# Altium PCB arm_v1.PcbDoc
Units mil, origin at the board's own origin, x right, y up, seen from the top; angles counter-clockwise.
Board outline 3620 x 3150 mil, 2 copper layers (Top Layer, Bottom Layer); 86 components, 74 nets, 331 pads, 91 vias.
Unrouted connection lines stored in the file: 2.
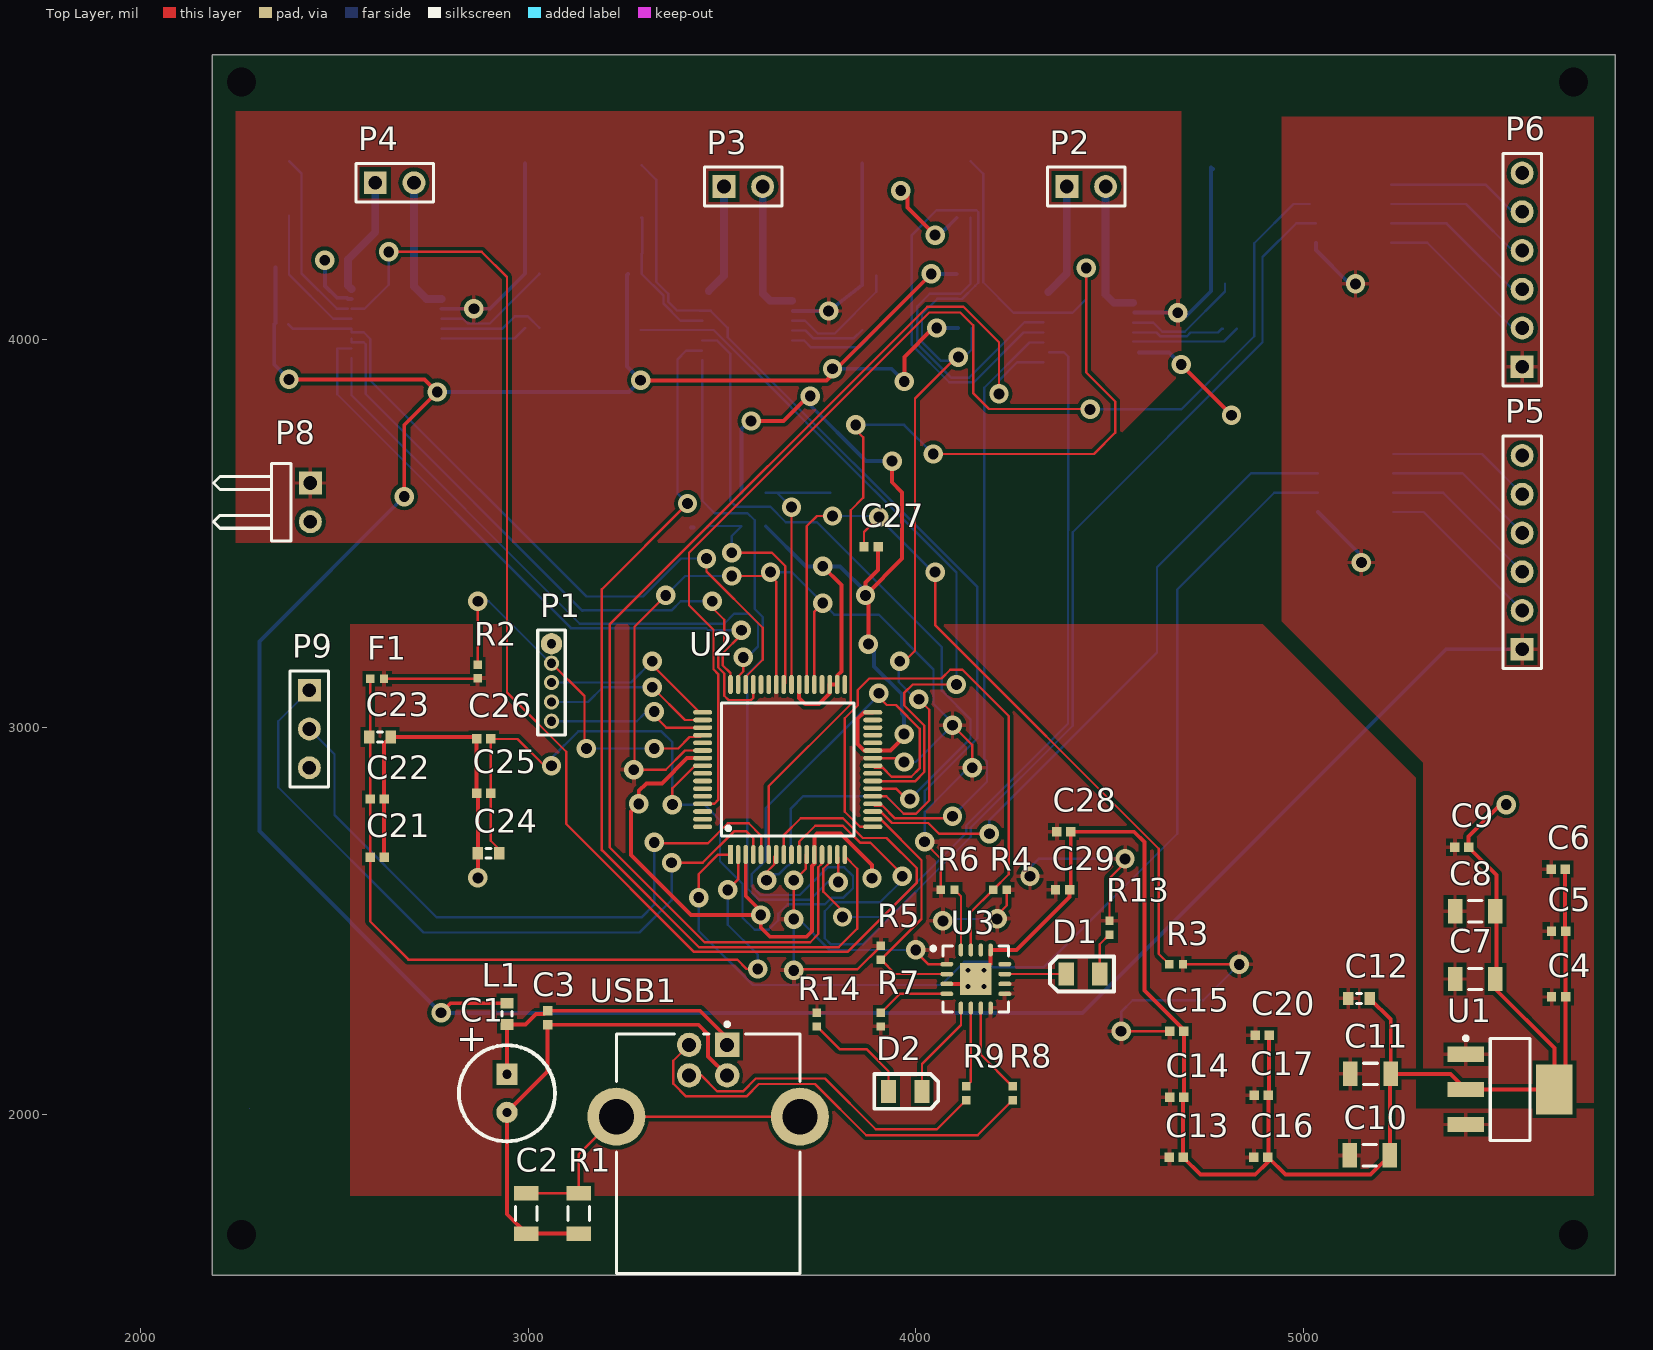
[diagram p0: Top Layer view]
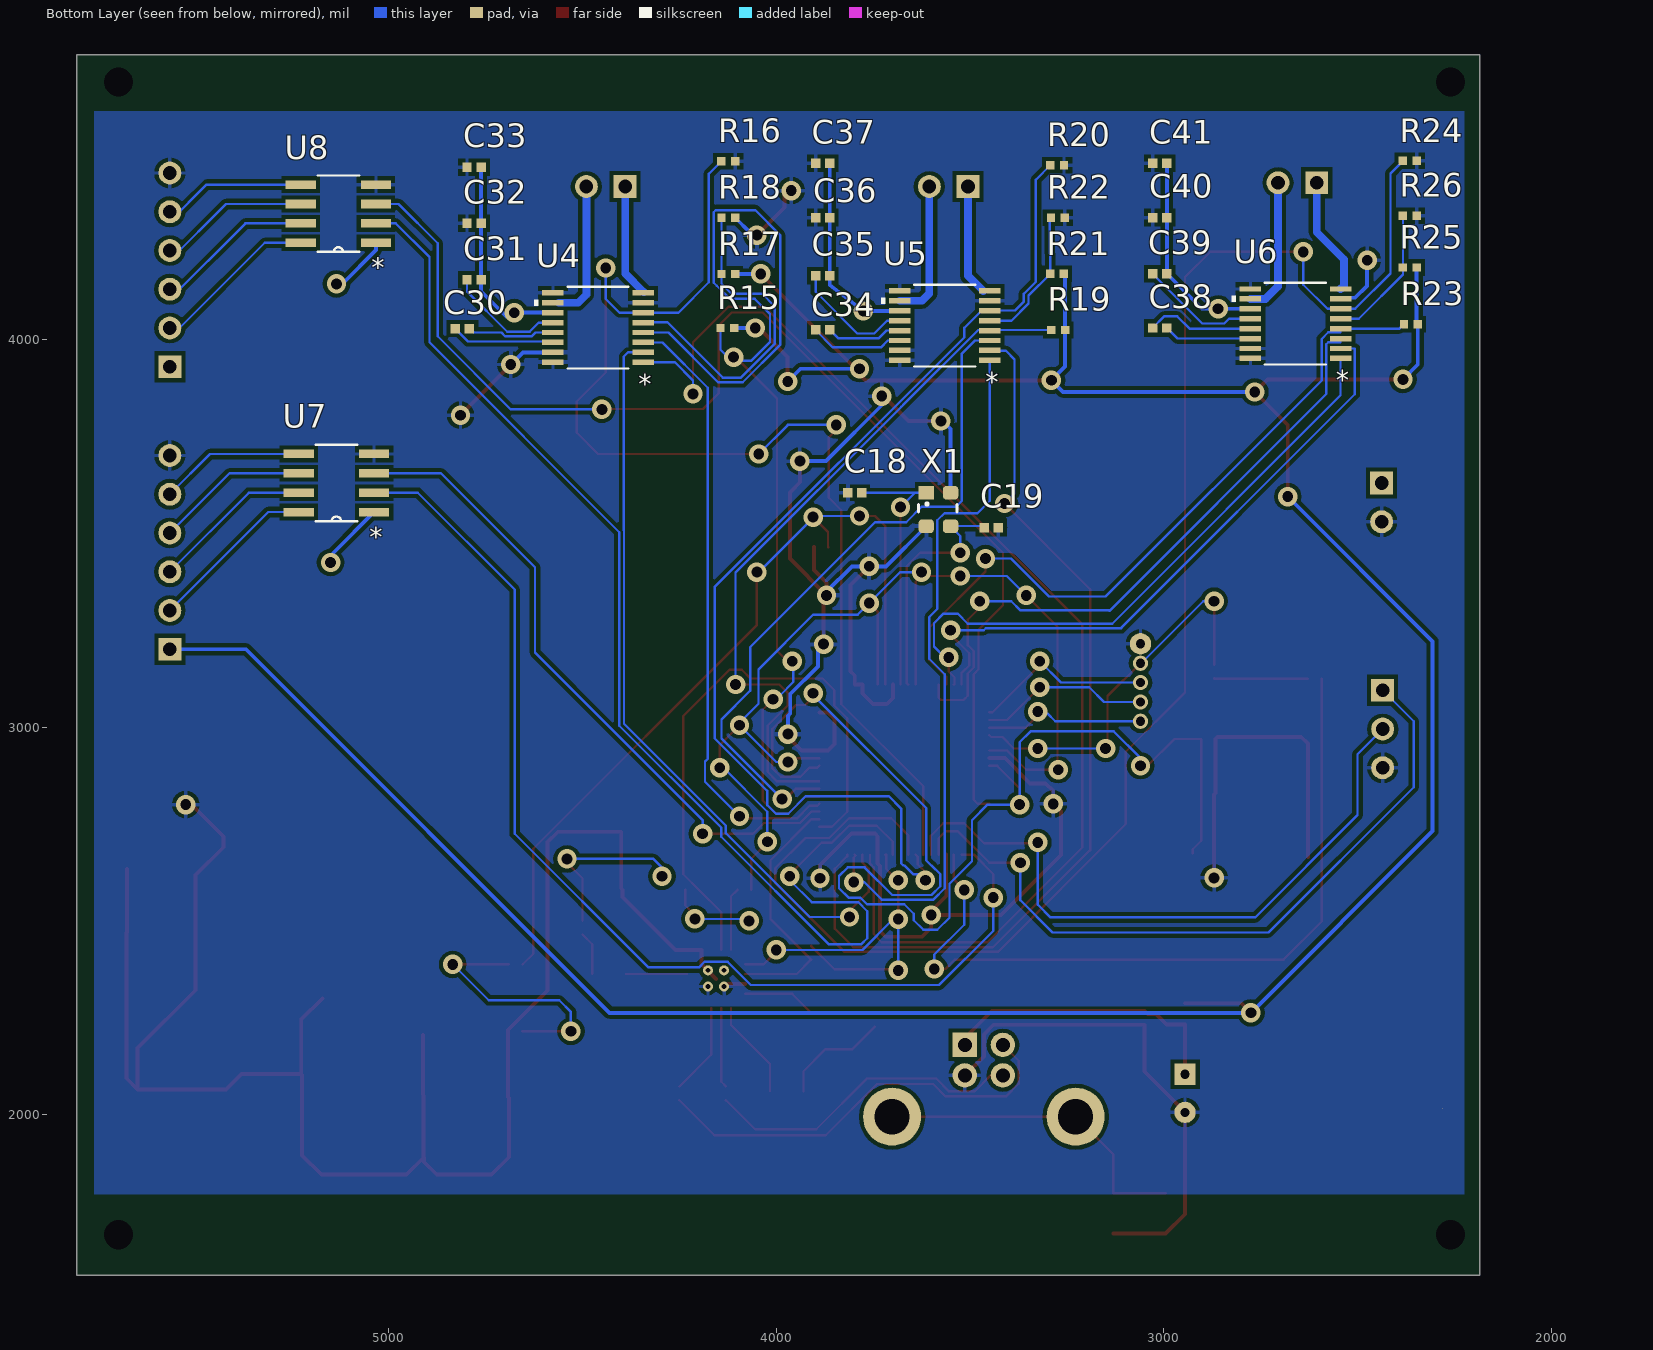
[diagram p1: Bottom Layer view, seen from below]
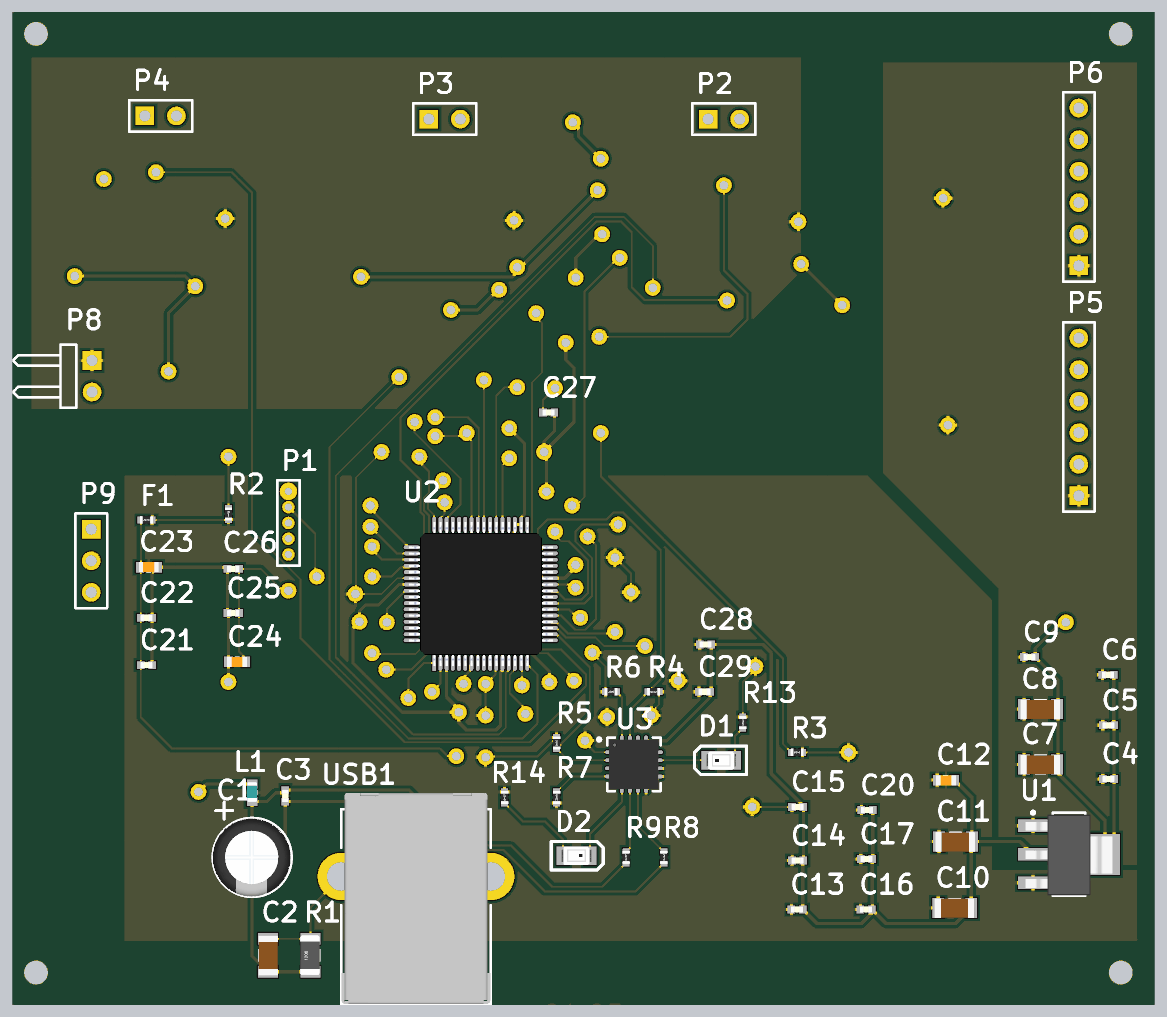
[diagram p2: 3D render of the assembled board from above, using the file's embedded part models]
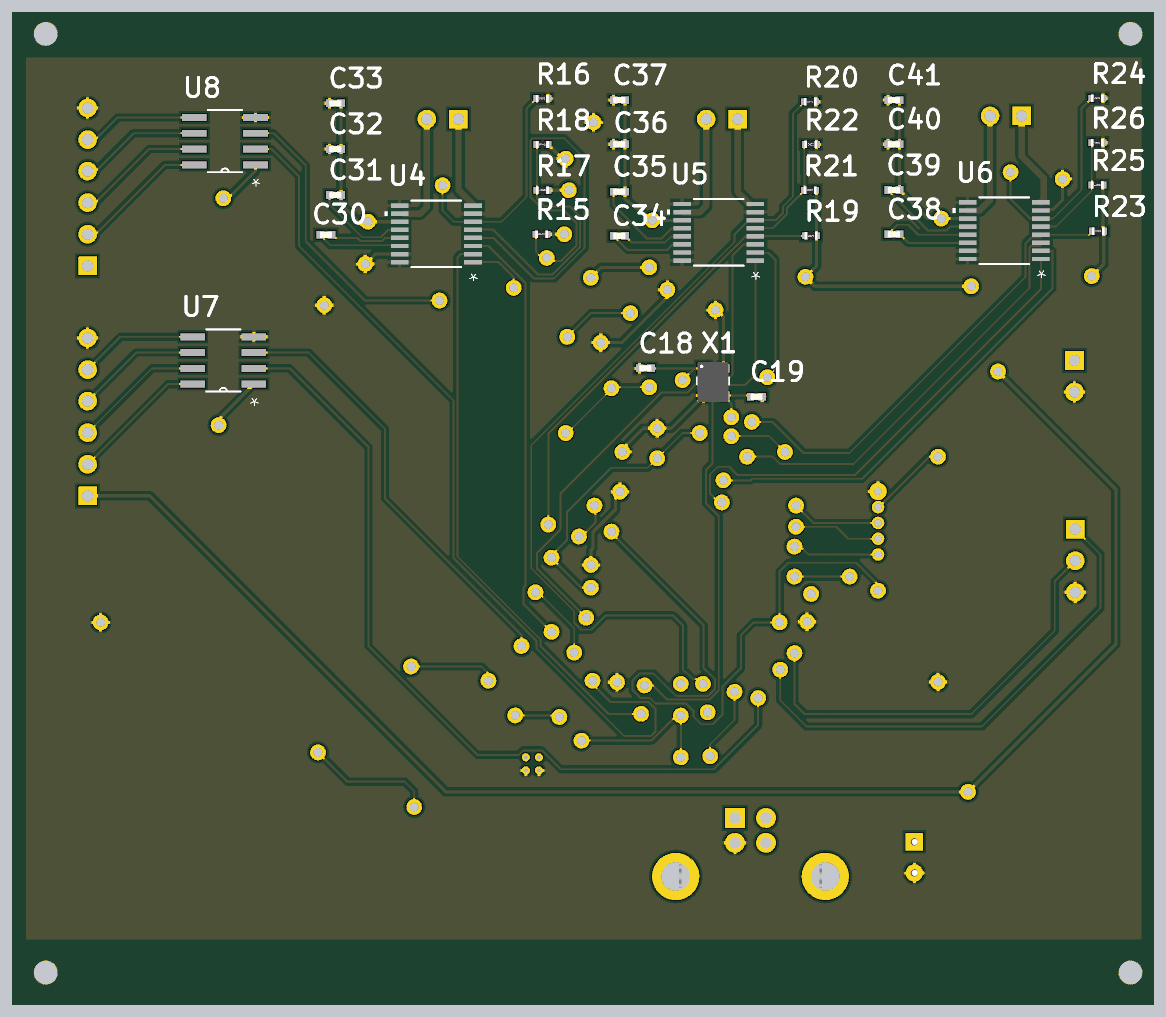
[diagram p3: 3D render of the assembled board from below, using the file's embedded part models]

## Layer stack, top to bottom
Top Solder: solder mask 0.4, Solder Resist, Dk 3.5
Top Layer: signal copper 1.4
Dielectric 1: dielectric 12.6, FR-4, Dk 4.8
Bottom Layer: signal copper 1.4
Bottom Solder: solder mask 0.4, Solder Resist, Dk 3.5

## Board outline
2185,4735 5805,4735 5805,1585 2185,1585
cut-out: 2280,2015
cut-out: 6615,2430

## Design rules (kind name [scope] priority, off if disabled: settings)
Clearance [All] p1: gap=10 ignorepadtopadclearanceinfootprint=TRUE except(0: Arc-Hole Track-Hole SMDPad-Hole THPad-Hole Via-Hole Fill-Hole Poly-Hole Region-Hole Text-Hole; 6: Arc-Arc Arc-Track Arc-SMDPad Arc-THPad Track-Track Track-SMDPad Track-THPad SMDPad-SMDPad SMDPad-THPad THPad-THPad)
PolygonConnect [All] p1: connectstyle=Relief reliefconductorwidth=10 reliefentries=4 polygonreliefangle="90 Angle" airgapwidth=10
RoutingVias [All] p1: holewidth=28 width=50 viastyle="Through Hole" minholewidth=28 minwidth=50 maxholewidth=28 maxwidth=50
SolderMaskExpansion [All] p1: expansion=4
Width [All] p1: maxlimit=100 minlimit=6 preferedwidth=8 minimp=50.000000 maximp=50.000000 favimp=50.000000
30 further rules are at their usual default settings.

## Components (designator, comment, footprint, x,y, rotation, side; value= is the part's Value field where it differs from the comment)
C1 "100uF" CapAlu6.3mmx12.5mm 2945,2055 r90 top
C2 "10nF" CAP_1206 2995,1745 r90 top
C3 "10nF" CAP_0402_M 3050,2250 r90 top
C4 "100nF" CAP_0402_M 5658.82,2303.7 r180 top
C5 "2.2uF" CAP_0402_M 5658.82,2473.7 r180 top
C6 "2.2uF" CAP_0402_M 5657.6,2633.7 r180 top
C7 "100uF" CAP_1206 5443.82,2350 r0 top
C8 "100uF" CAP_1206 5443.82,2525 r0 top
C9 "1uF" CAP_0402_M 5408.82,2690 r180 top
C10 "100uF" CAP_1206 5171.65,1895 r0 top
C11 "100uF" CAP_1206 5173.82,2105 r0 top
C12 "10uF" CAP_0603 5143.82,2300 r0 top
C13 "10nF" CAP_0402_M 4671.93,1890 r180 top
C14 "100nF" CAP_0402_M 4673.82,2045 r180 top
C15 "100nF" CAP_0402_M 4673.82,2215 r180 top
C16 "10nF" CAP_0402_M 4890.71,1890 r180 top
C17 "100nF" CAP_0402_M 4891.93,2050 r180 top
C18 "13pF" CAP_0402_M 3797.48,3605 r180 bottom
C19 "13pF" CAP_0402_M 3445,3515 r0 bottom
C20 "100nF" CAP_0402_M 4893.82,2205 r180 top
C21 "10nF" CAP_0402_M 2610,2664.48 r180 top
C22 "100nF" CAP_0402_M 2610,2814.48 r180 top
C23 "10uF" CAP_0603 2617.44,2974.48 r180 top
C24 "2.2uF" CAP_0603 2897.44,2674.48 r0 top
C25 "1uF" CAP_0402_M 2885,2829.48 r0 top
C26 "100nF" CAP_0402_M 2885,2969.48 r0 top
C27 "100nF" CAP_0402_M 3884.61,3465 r180 top
C28 "100nF" CAP_0402_M 4381.89,2730 r180 top
C29 "100nF" CAP_0402_M 4378.78,2580 r180 top
C30 "0.022uF" CAP_0402_M 4810,4028.39 r180 bottom
C31 "0.1uF" CAP_0402_M 4780,4154.17 r180 bottom
C32 "0.1uF" CAP_0402_M 4780,4300 r180 bottom
C33 "0.1uF" CAP_0402_M 4780,4445 r180 bottom
C34 "0.022uF" CAP_0402_M 3880,4025 r180 bottom
C35 "0.1uF" CAP_0402_M 3880,4165 r180 bottom
C36 "0.1uF" CAP_0402_M 3880,4315 r180 bottom
C37 "0.1uF" CAP_0402_M 3880,4455 r180 bottom
C38 "0.022uF" CAP_0402_M 3010,4030 r0 bottom
C39 "0.1uF" CAP_0402_M 3010,4170 r180 bottom
C40 "0.1uF" CAP_0402_M 3010,4315 r180 bottom
C41 "0.1uF" CAP_0402_M 3010,4455 r180 bottom
D1 "Led Red" "TOPLED 0805" 4431.69,2362.8 r180 top
D2 "Led Red" "TOPLED 0805" 3972.91,2060 r0 top
F1 "550mA" RES_0402_M 2610,3124.48 r180 top
L1 "200R" IND_0603 2945,2260 r90 top
P1 "MHDR1X5" MHDR1X5 3060,3215 r270 top
P2 "BDC_A" HDR1X2 4390,4395 r0 top
P3 "BDC_B" HDR1X2 3505,4395 r0 top
P4 "BDC_C" HDR1X2 2605,4405 r0 top
P5 "EN_A" HDR1X6 5565,3201.01 r90 top
P6 "EN_B" HDR1X6 5565,3930 r90 top
P8 "Board Power" HDR1X2H 2437.59,3629.93 r270 top
P9 "Header 3" HDR1X3 2435,3095.15 r270 top
R1 "1M" RES_1206 3130,1745 r90 top
R2 "10k" RES_0402_M 2870,3143.52 r90 top
R3 "10k" RES_0402_M 4671.93,2387.8 r180 top
R4 "10k" RES_0402_M 4217.28,2580 r0 top
R5 "10k" RES_0402_M 3910,2417.72 r90 top
R6 "10k" RES_0402_M 4082.28,2580 r180 top
R7 "10k" RES_0402_M 3910,2245 r270 top
R8 "27" RES_0402_M 4250,2055 r90 top
R9 "27" RES_0402_M 4130,2055 r90 top
R13 "120" RES_0402_M 4500,2482.28 r90 top
R14 "120" RES_0402_M 3745,2245 r90 top
R15 "10K" RES_0402_M 4126.29,4030 r180 bottom
R16 "5K" RES_0402_M 4124.01,4460 r180 bottom
R17 "16K" RES_0402_M 4123.58,4169.41 r0 bottom
R18 "16K" RES_0402_M 4123.58,4314.41 r180 bottom
R19 "10K" RES_0402_M 3272.28,4025 r0 bottom
R20 "5K" RES_0402_M 3275,4450 r180 bottom
R21 "16K" RES_0402_M 3275.39,4169.57 r0 bottom
R22 "16K" RES_0402_M 3273.19,4314.57 r180 bottom
R23 "10K" RES_0402_M 2362.28,4040 r0 bottom
R24 "5K" RES_0402_M 2365,4461.18 r180 bottom
R25 "16K" RES_0402_M 2365,4186.18 r0 bottom
R26 "16K" RES_0402_M 2365,4320 r180 bottom
U1 "MCP1825S-3302E/DB" SOT230P700X180-4N 5533.82,2065 r0 top
U2 "TM4C123GH6PMI" TSQFP50P1200X1200X120-64N 3450.04,2742.87 r90 top
U3 "FT230XQ" QFN65P400X400X80_HS-17N 4155,2350 r0 top
U4 "DRV8874-Q1" DRV8874-Q1 4460,4031.18 r0 bottom
U5 "DRV8874-Q1" DRV8874-Q1 3565,4036.18 r0 bottom
U6 "DRV8874-Q1" DRV8874-Q1 2660,4041.18 r0 bottom
U7 "SN75LBC179D - PITCH" D8 5135,3630 r0 bottom
U8 "SN75LBC179D - ROLL" D8 5130,4325 r0 bottom
USB1 "USB type-B jack" USB2.5-2H4E 3464.21,2140.63 r270 top
X1 "CRYSTAL 16MHZ" CRYSTAL_3.2x2.5 3612.99,3605 r180 bottom

## Footprints (in the part's own frame and the unit in brackets; to place one, negate y for a bottom-side part, rotate by r counter-clockwise, add the part's x,y. Pads: shape width x height; smd on the part's side, far side on the other; paste and mask are expansions set on the pad)
CAP_0402_M [mm] "Chip Capacitor, 2-Leads, Body 1.00x0.50mm, IPC Medium Density"
  rect 0.62x0.62 smd: 1(-0.46,0) 2(0.46,0)
  body extent -0.5,-0.26 0.5,0.27, height 0.36
CAP_0603 [mm] "Chip Capacitor, 2-Leads, Body 1,6x0,8mm, IPC High Density"
  rect 0.7x0.85 smd: 1(-0.7,0) 2(0.7,0)
  silkscreen extent -0.15,-0.33 0.15,0.33, body extent -0.8,-0.42 0.8,0.38, height 0.7
CAP_1206 [mm] "Chip Capacitor, 2-Leads, Body 3,1x1,6mm, IPC High Density"
  rect 0.95x1.6 smd: 1(-1.325,0) 2(1.325,0)
  silkscreen extent -0.45,-0.7 0.45,0.7, body extent -1.63,-0.82 1.57,0.78, height 1.6
CapAlu6.3mmx12.5mm [mm] "Capacitor Aluminum 6.3mm OD"
  rect 1.4x1.4 hole 0.6: 1(1.25,0)
  round 1.4 hole 0.6: 2(-1.25,0)
  silkscreen extent -3.15,-3.15 3.15,3.15, body extent -3.15,-3.11 3.15,3.19, height 12
CRYSTAL_3.2x2.5 [mm]
  rect 1x0.9 smd: 1(0,0)
  rrect50% 1x0.9 smd: 2(0,-2.2) 3(1.6,-2.2) 4(1.6,0)
  silkscreen extent -0.51,-1.27 2.03,-0.69, body extent -0.5,-2.7 2,0.5, height 0.93
D8 [mil]
  rect 78x22 smd: 1(-97,75) 2(-97,25) 3(-97,-25) 4(-97,-75) 5(97,-75) 6(97,-25) 7(97,25) 8(97,75)
  silkscreen extent -54,-98 54,98, body extent 0,0 10,10, height 10
DRV8874-Q1 [mil] "Duplicate of DRV8876"
  rect 55.5x14 smd paste+0 mask+0: 1(-116.25,89.57) 2(-116.25,63.97) 3(-116.25,38.38) 4(-116.25,12.79) 5(-116.25,-12.8) 6(-116.25,-38.39) 7(-116.25,-63.98) 8(-116.25,-89.57) 9(116.25,-89.57) 10(116.25,-63.98) 11(116.25,-38.39) 12(116.25,-12.8) 13(116.25,12.79) 14(116.25,38.38) 15(116.25,63.97) 16(116.25,89.57)
  silkscreen extent -79,-106 164,106, body extent 0,0 10,10, height 10
HDR1X2 [mm] "Connector; Header; 2 Position"
  rect 1.5x1.5 hole 0.9: 1(0,0)
  round 1.5 hole 0.9: 2(2.54,0)
  silkscreen extent -1.27,-1.27 3.81,1.27
HDR1X2H [mm] "Connector; Header; 2 Position; Right Angle"
  rect 1.5x1.5 hole 0.9: 1(0,0)
  round 1.5 hole 0.9: 2(2.54,0)
  silkscreen extent -1.27,-6.35 3.81,-1.27
HDR1X3 [mm] "Connector; Header; 3 Position"
  rect 1.5x1.5 hole 0.9: 1(0,0)
  round 1.5 hole 0.9: 2(2.54,0) 3(5.08,0)
  silkscreen extent -1.27,-1.27 6.35,1.27
HDR1X6 [mm] "Connector; Header; 6 Position"
  rect 1.5x1.5 hole 0.9: 1(0,0)
  round 1.5 hole 0.9: 2(2.54,0) 3(5.08,0) 4(7.62,0) 5(10.16,0) 6(12.7,0)
  silkscreen extent -1.27,-1.27 13.97,1.27
IND_0603 [mm]
  rect 0.7x0.85 smd: 1(-0.7,0) 2(0.7,0)
  silkscreen extent -0.15,-0.32 0.15,0.33, body extent -0.74,-0.4 0.86,0.4, height 0.95
MHDR1X5 [mm] "Connector; Header; 5 Position"
  round 1.4 hole 0.6: 1(0,0)
  round 1 hole 0.6: 2(1.27,0) 3(2.54,0) 4(3.81,0) 5(5.08,0)
  silkscreen extent -0.9,-0.9 5.98,0.9
QFN65P400X400X80_HS-17N [mm] "QFN, 16-Leads, Body 4.00x4.00mm, Pitch 0.65mm, Thermal Pad 2.08x2.08mm, IPC Medium Density"
  oval 0.85x0.3 smd: 1(-1.9,0.975) 2(-1.9,0.325) 3(-1.9,-0.325) 4(-1.9,-0.975) 9(1.9,-0.975) 10(1.9,-0.325) 11(1.9,0.325) 12(1.9,0.975)
  oval 0.3x0.85 smd: 5(-0.975,-1.9) 6(-0.325,-1.9) 7(0.325,-1.9) 8(0.975,-1.9) 13(0.975,1.9) 14(0.325,1.9) 15(-0.325,1.9) 16(-0.975,1.9)
  round 0.66 hole 0.305: 17(-0.516,-0.493) 17(-0.516,0.567) 17(0.538,-0.493) 17(0.538,0.567)
  rect 2.08x2.08 smd: 17(0,0)
  silkscreen extent -2.92,-2.15 2.15,2.15, body extent -2,-2 2,2, height 0.92
RES_0402_M [mm] "Chip Resistor, 2-Leads, Body 1.00x0.50mm, IPC Medium Density"
  rect 0.55x0.55 smd: 1(-0.45,0) 2(0.45,0)
  body extent -0.52,-0.3 0.52,0.3, height 0.34
RES_1206 [mm] "Chip Resistor 2-Leads, Body 3,1x1,6mm, IPC High Density"
  rect 0.95x1.6 smd: 1(-1.325,0) 2(1.325,0)
  silkscreen extent -0.45,-0.7 0.45,0.7, body extent -1.59,-0.76 1.61,0.84, height 1
SOT230P700X180-4N [mm] "SOT223, 4-Leads, Body 6,7x7,3mm (max), Pitch 2,30mm, IPC Medium Density"
  rect 2.4x1 smd: 1(-2.9,2.3) 2(-2.9,0) 3(-2.9,-2.3)
  rect 2.4x3.3 smd: 4(2.9,0)
  silkscreen extent -3.02,-3.35 1.3,3.47, body extent -3.5,-3.3 3.5,3.2, height 1.69
"TOPLED 0805" [mm]
  rect 1x1.5 smd: 1(-1.1,0) 2(1.1,0)
  silkscreen extent -2.03,-1.14 2.16,1.14, body extent -1.2,-0.74 1.2,0.76, height 1.45
TSQFP50P1200X1200X120-64N [mm] "TSQFP, 64-Leads, Body 12,0x12,0mm (max), Pitch 0,50mm, IPC Medium Density"
  rect 1.25x0.3 smd: 1(-1.825,-1.825)
  oval 1.25x0.3 smd: 2(-1.825,-2.325) 3(-1.825,-2.825) 4(-1.825,-3.325) 5(-1.825,-3.825) 6(-1.825,-4.325) 7(-1.825,-4.825) 8(-1.825,-5.325) 9(-1.825,-5.825) 10(-1.825,-6.325) 11(-1.825,-6.825) 12(-1.825,-7.325) 13(-1.825,-7.825) 14(-1.825,-8.325) 15(-1.825,-8.825) 16(-1.825,-9.325) 33(9.325,-9.325) 34(9.325,-8.825) 35(9.325,-8.325) 36(9.325,-7.825) 37(9.325,-7.325) 38(9.325,-6.825) 39(9.325,-6.325) 40(9.325,-5.825) 41(9.325,-5.325) 42(9.325,-4.825) 43(9.325,-4.325) 44(9.325,-3.825) 45(9.325,-3.325) 46(9.325,-2.825) 47(9.325,-2.325) 48(9.325,-1.825)
  oval 0.3x1.25 smd: 17(0,-11.15) 18(0.5,-11.15) 19(1,-11.15) 20(1.5,-11.15) 21(2,-11.15) 22(2.5,-11.15) 23(3,-11.15) 24(3.5,-11.15) 25(4,-11.15) 26(4.5,-11.15) 27(5,-11.15) 28(5.5,-11.15) 29(6,-11.15) 30(6.5,-11.15) 31(7,-11.15) 32(7.5,-11.15) 49(7.5,0) 50(7,0) 51(6.5,0) 52(6,0) 53(5.5,0) 54(5,0) 55(4.5,0) 56(4,0) 57(3.5,0) 58(3,0) 59(2.5,0) 60(2,0) 61(1.5,0) 62(1,0) 63(0.5,0) 64(0,0)
  silkscreen extent -0.6,-9.93 8.1,-1.23, body extent -2.05,-11.38 9.53,0.2, height 1
USB2.5-2H4E [mm] "Connector; USB1.1, Type B, Thru-Hole; 4 Position; Right Angle"
  rect 1.6x1.6 hole 0.92: 1(-1,1.25)
  round 1.6 hole 0.92: 2(-1,-1.25) 3(1,-1.25) 4(1,1.25)
  round 3.8 hole 2.3: 5(3.71,6.02) 6(3.71,-6.02)
  silkscreen extent -2.47,-6.02 13.99,6.02, body extent -3.03,-6 13.97,6, height 10.9
